# Altium PCB ActiTouch_PCB2.PcbDoc
Units mil, origin at the board's own origin, x right, y up, seen from the top; angles counter-clockwise.
Board outline 2415 x 1780 mil, 2 copper layers (Top Layer, Bottom Layer); 66 components, 55 nets, 195 pads, 13 vias.
Unrouted connection lines stored in the file: 17.
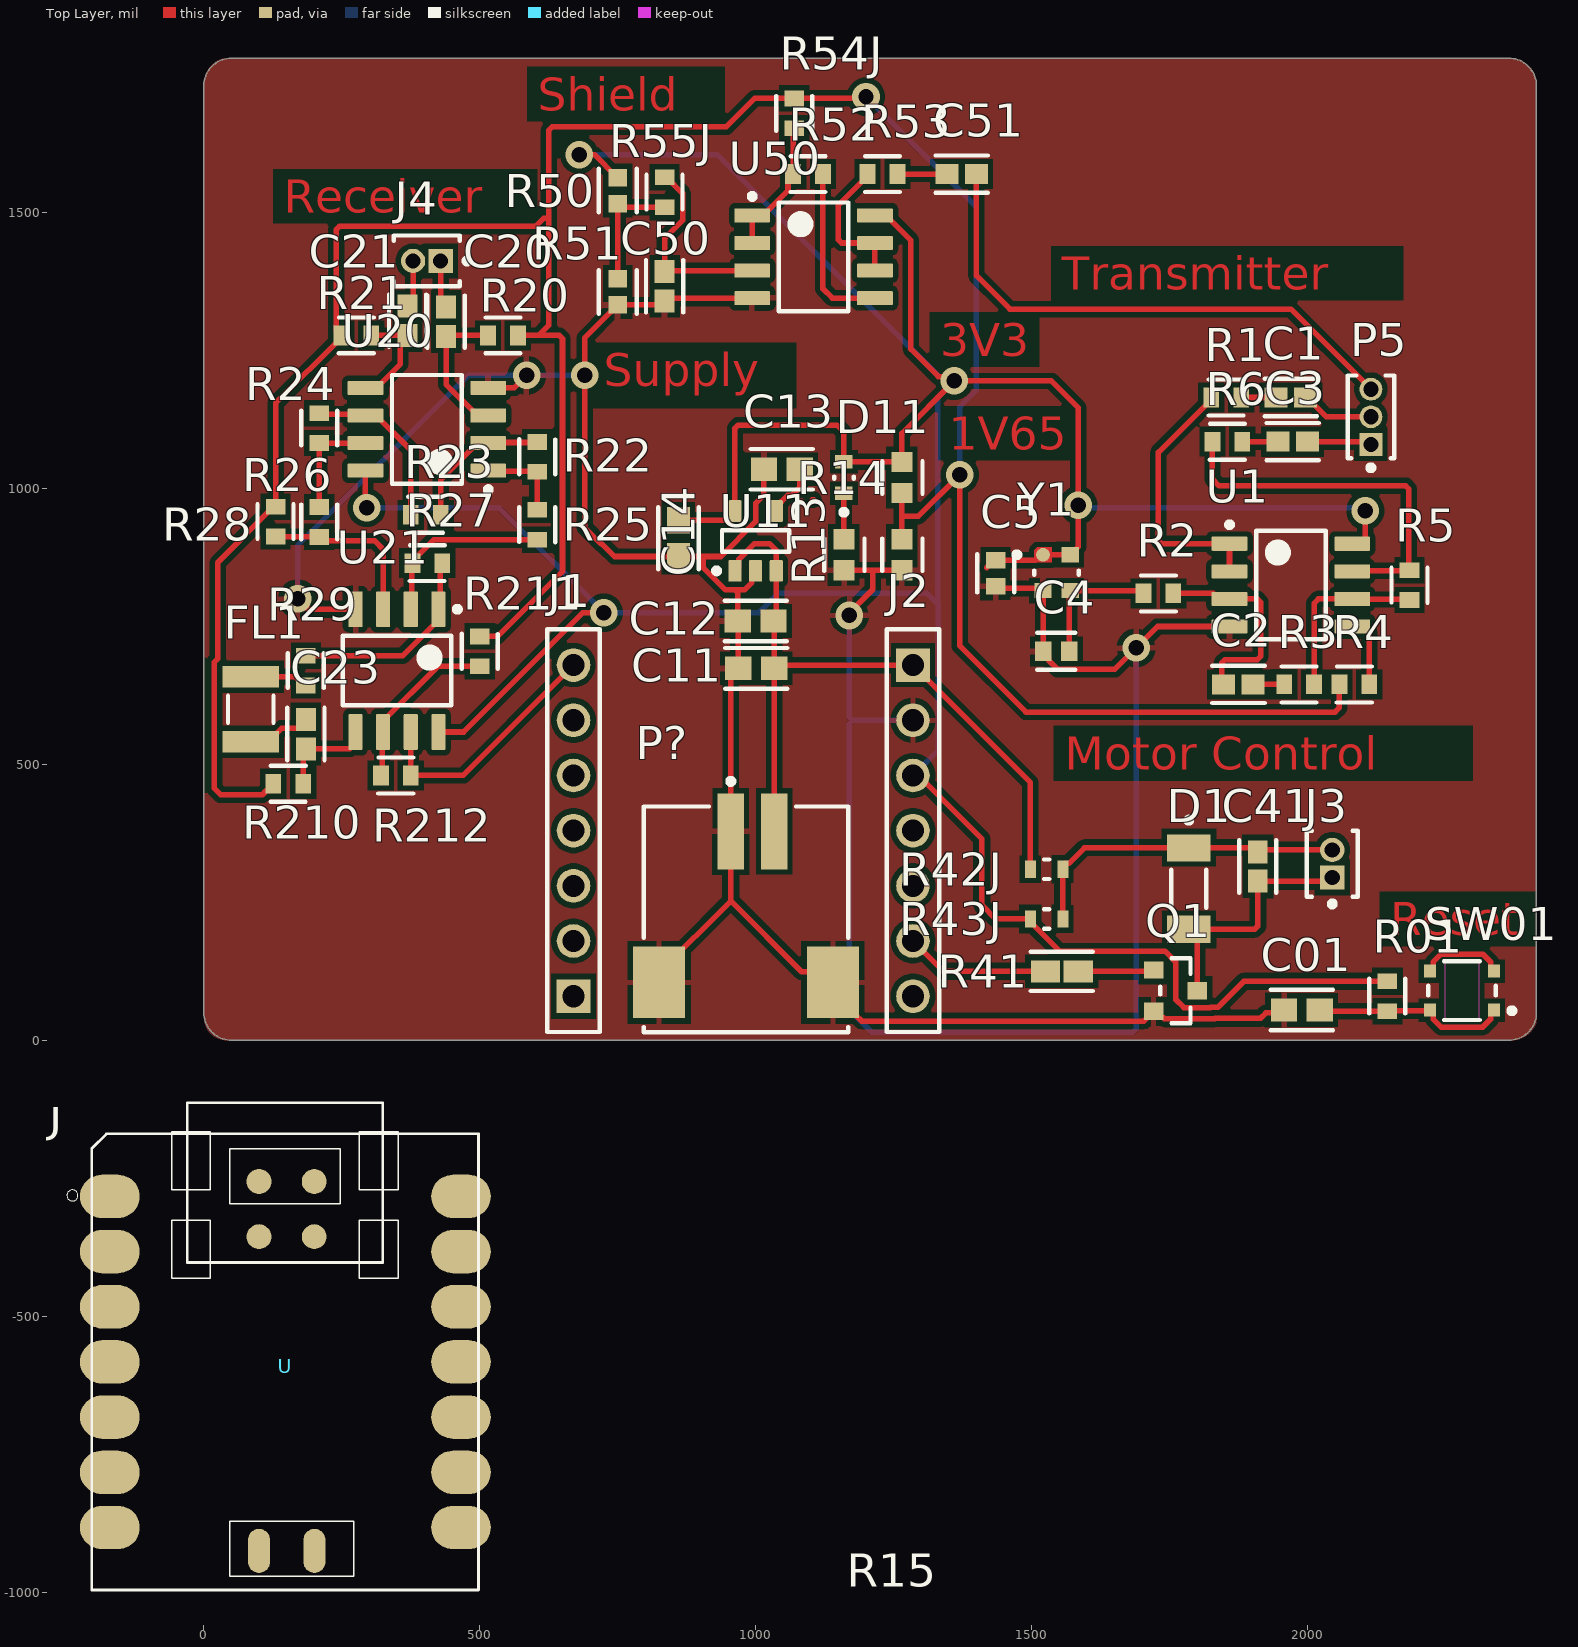
[diagram p0: Top Layer view]
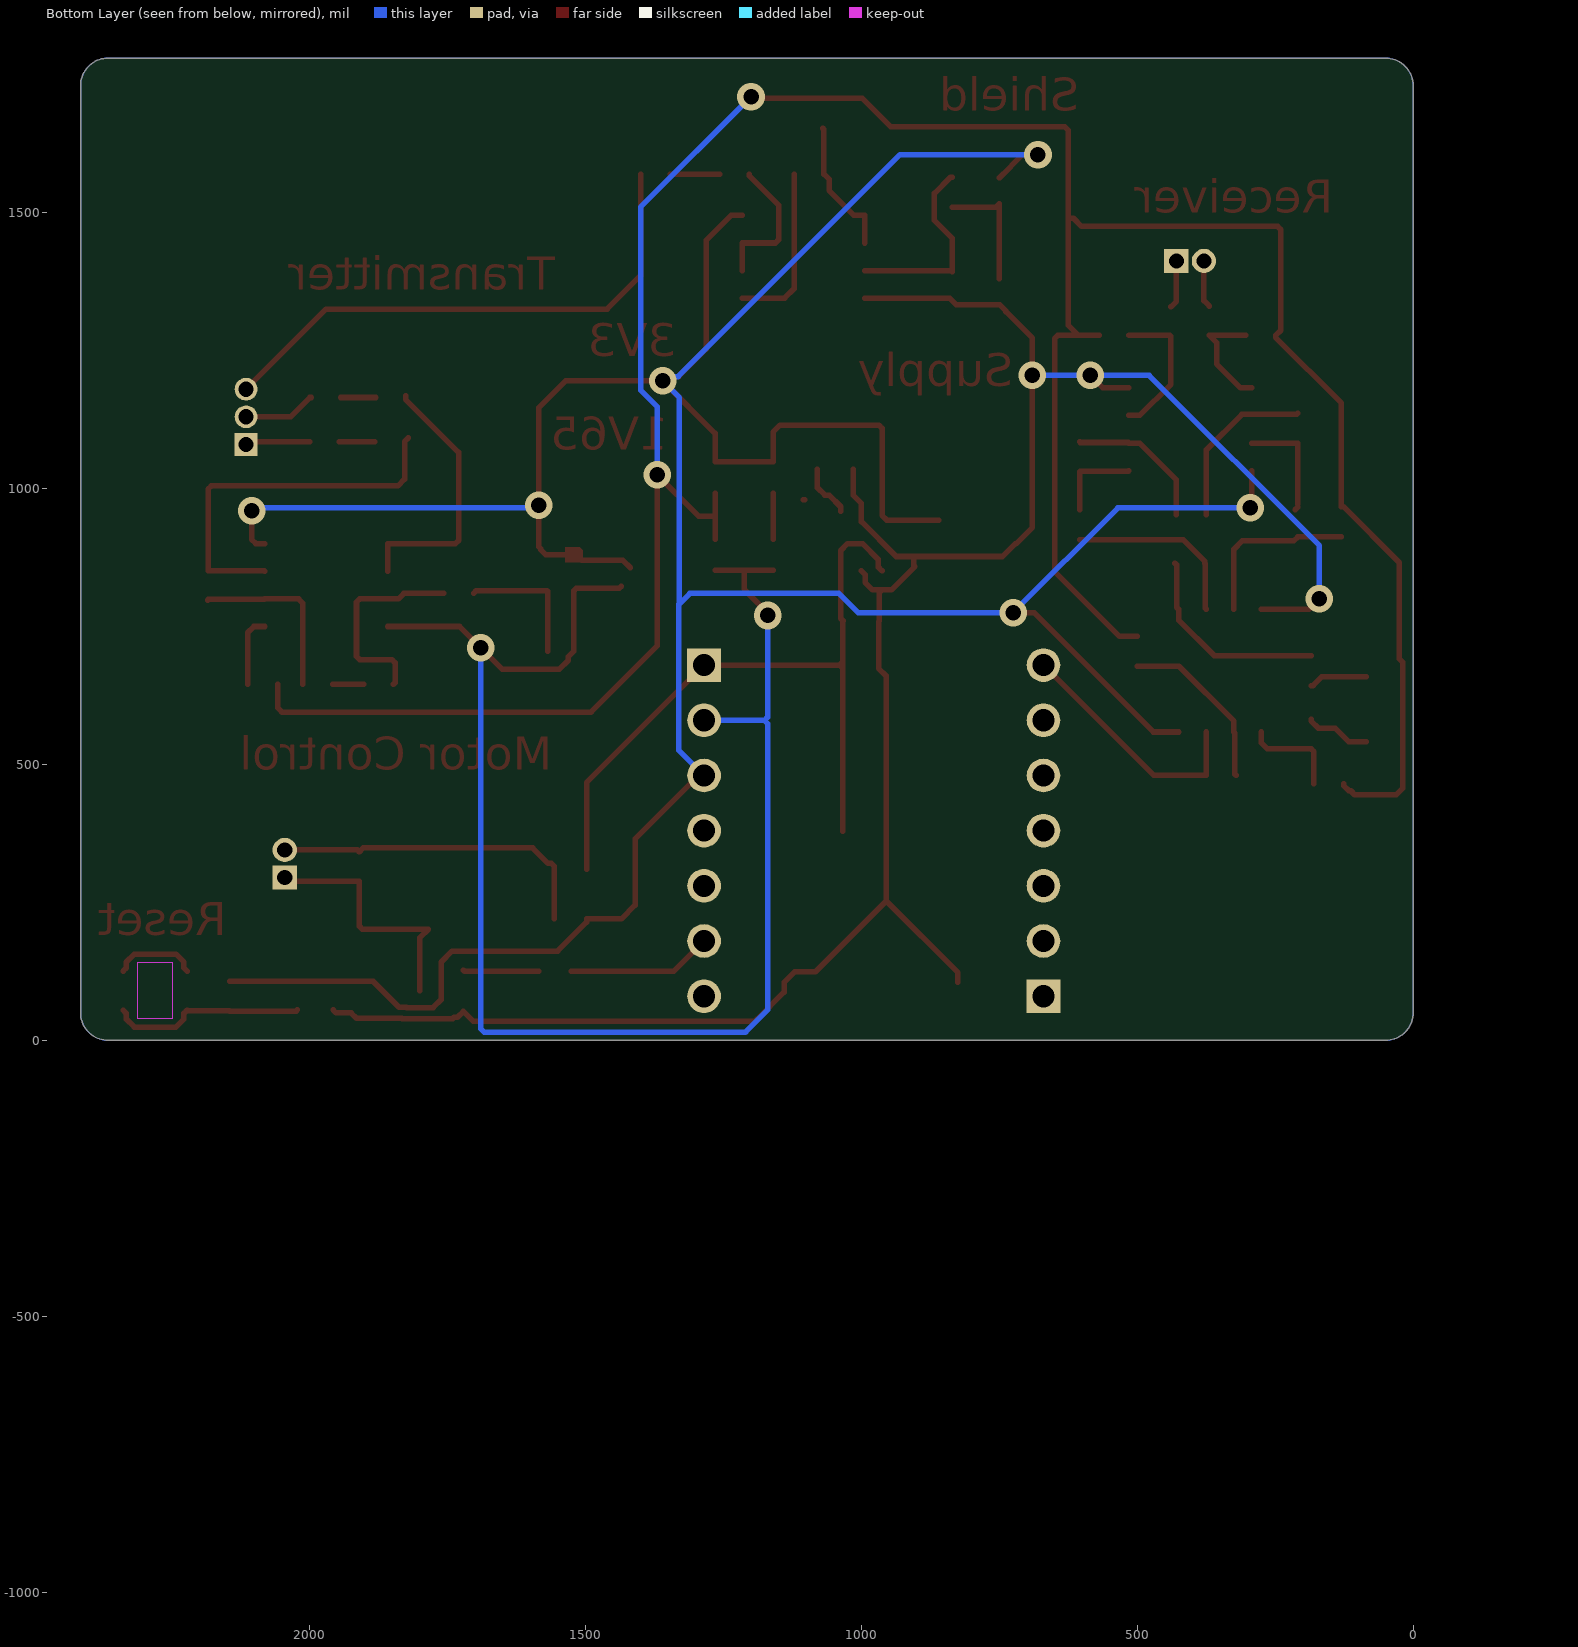
[diagram p1: Bottom Layer view, seen from below]
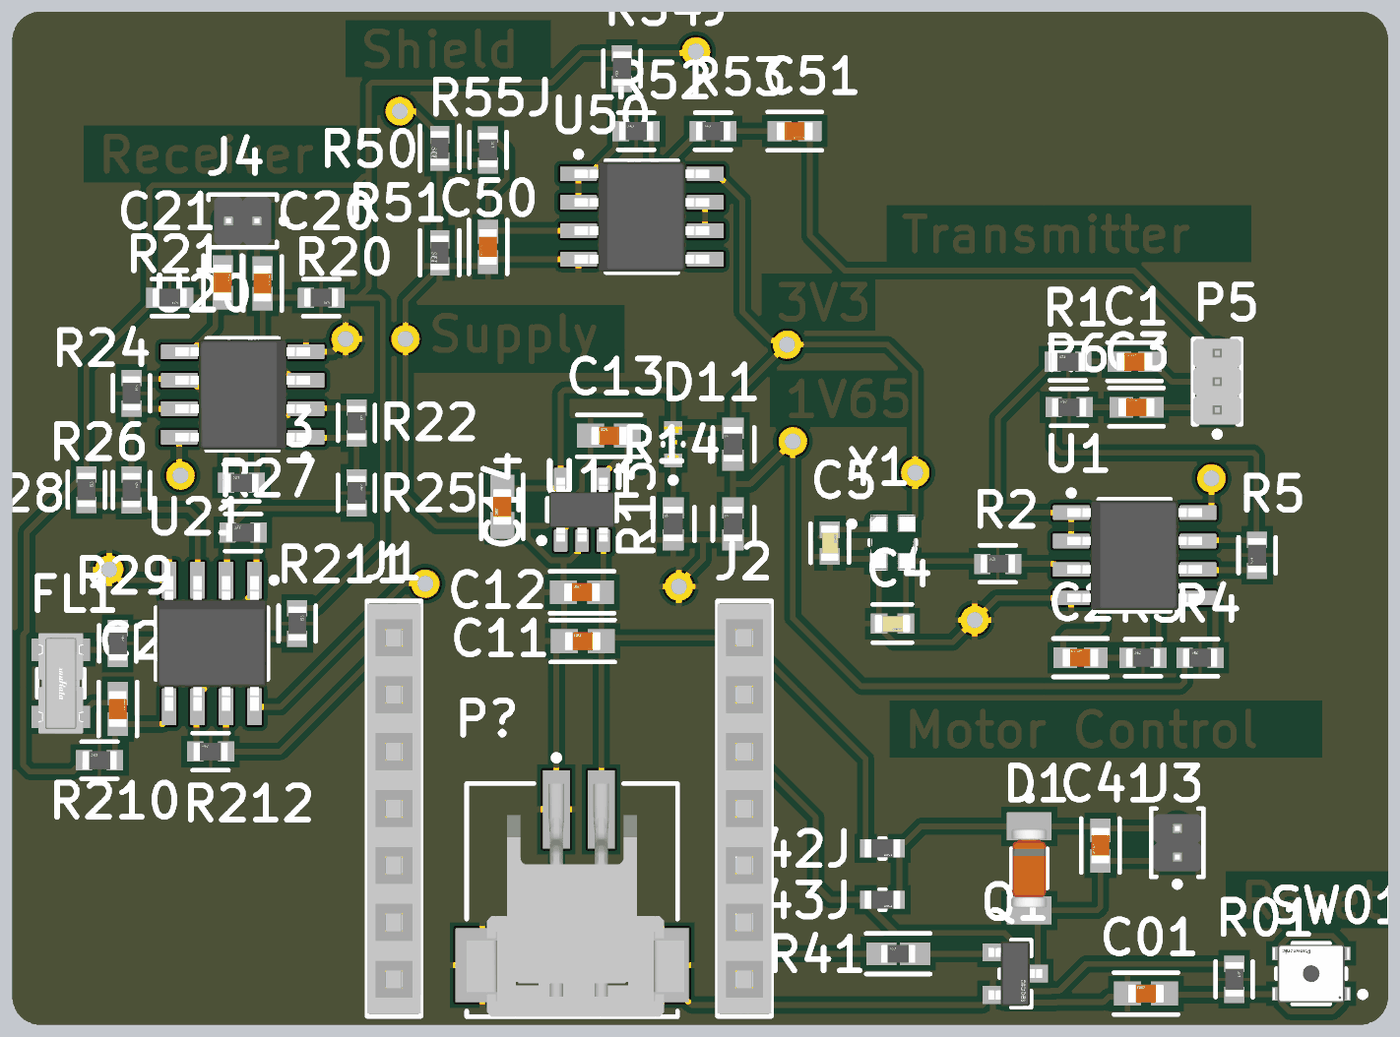
[diagram p2: 3D render of the assembled board from above, using the file's embedded part models]

## Layer stack, top to bottom
Top Solder: solder mask 0.4, Solder Resist, Dk 3.5
Top Layer: signal copper 1.4
Dielectric 1: dielectric 12.6, FR-4, Dk 4.8
Bottom Layer: signal copper 1.4
Bottom Solder: solder mask 0.4, Solder Resist, Dk 3.5

## Board outline
50,0 cw(c50,50) 0,50 0,1730 cw(c50,1730) 50,1780 2364.86,1780 cw(c2365,1730) 2415,1730 2415,50 cw(c2365,50) 2365,0

## Design rules (kind name [scope] priority, off if disabled: settings)
Clearance [All] p1: gap=10 ignorepadtopadclearanceinfootprint=FALSE except(0: Arc-Hole Track-Hole SMDPad-Hole THPad-Hole Via-Hole Fill-Hole Poly-Hole Region-Hole Text-Hole)
PolygonConnect [All] p1: connectstyle=Relief reliefconductorwidth=10 reliefentries=4 polygonreliefangle="90 Angle" airgapwidth=10
RoomDefinition U_VibrationMotor [InComponentClass('U_VibrationMotor')] p1: confinementstyle=ConfineIn formatcopy=TRUE lockcomponents=FALSE outline 6045,2605 7220,2605 7220,2960 6045,2960
RoomDefinition U_PowerSupply [InComponentClass('U_PowerSupply')] p2: confinementstyle=ConfineIn formatcopy=TRUE lockcomponents=FALSE outline 6045,2040 8885,2040 8885,2555 6045,2555
RoomDefinition U_ActiTouch_Transmitter_Sheet1 [InComponentClass('U_ActiTouch_Transmitter_Sheet1')] p3: confinementstyle=ConfineIn formatcopy=TRUE lockcomponents=FALSE outline 6130,1645 8645,1645 8645,1995 6130,1995
RoomDefinition U_ActiTouch_Shield_Sheet1 [InComponentClass('U_ActiTouch_Shield_Sheet1')] p4: confinementstyle=ConfineIn formatcopy=TRUE lockcomponents=FALSE outline 6045,1325 7580,1325 7580,1590 6045,1590
RoomDefinition U_ActiTouch_Receiver_Sheet1 [InComponentClass('U_ActiTouch_Receiver_Sheet1')] p5: confinementstyle=ConfineIn formatcopy=TRUE lockcomponents=FALSE outline 6045,1010 10480,1010 10480,1275 6045,1275
RoomDefinition ActiTouch [InComponentClass('ActiTouch')] p6: confinementstyle=ConfineIn formatcopy=TRUE lockcomponents=FALSE outline 6045,55 8570,55 8570,960 6045,960
RoutingVias [All] p1: holewidth=28 width=50 viastyle="Through Hole" minholewidth=28 minwidth=50 maxholewidth=28 maxwidth=50
SolderMaskExpansion [All] p1: expansion=4 istentingtop=FALSE
Width [All] p1: maxlimit=10 minlimit=10 preferedwidth=10
30 further rules are at their usual default settings.

## Classes and differential pairs
component class U_VibrationMotor: C41 D1 Q1 R41 R42J R43J
component class U_PowerSupply: C11 C12 C13 C14 D11 P? R13 R14 R15 U11
component class U_ActiTouch_Transmitter_Sheet1: C1 C2 C3 C4 C5 R1 R2 R3 R4 R5 R6 U1 Y1
component class U_ActiTouch_Shield_Sheet1: C50 C51 R50 R51 R52 R53 R54J R55J U50
component class U_ActiTouch_Receiver_Sheet1: C20 C21 C23 FL1 R20 R21 R22 R23 R24 R25 R26 R27 R28 R29 R210 R211 R212 U20 U21
component class ActiTouch: C01 J1 J2 J3 J4 P5 R01 SW01

## Components (designator, comment, footprint, x,y, rotation, side; value= is the part's Value field where it differs from the comment)
C1 "EMK107B7104KAHT" FP-0603-L_1_6_0_1-W_0_8_0-IPC_B 1970,1165 r0 top
C01 "1uF" FP-0603-L_1_6_0_15-W_0_81-IPC_A 1990,55 r180 top
C2 "EMK107B7104KAHT" FP-0603-L_1_6_0_1-W_0_8_0-IPC_B 1875,645 r0 top
C3 "EMK107B7104KAHT" FP-0603-L_1_6_0_1-W_0_8_0-IPC_B 1973.34,1085 r0 top
C4 "C0603C104K5RACTU" FP-C0603C-CF-MFG 1545,705 r180 top value="0.10 μF"
C5 "C0603C104K5RACTU" FP-C0603C-CF-MFG 1435,846.38 r270 top value="0.10 μF"
C11 "0603ZD105KAT2A" FP-0603-L_1_6_0_15-W_0_81-IPC_A 1001.19,674.14 r180 top
C12 "0603ZD105KAT2A" FP-0603-L_1_6_0_15-W_0_81-IPC_A 1000,760 r180 top
C13 "0603ZD105KAT2A" FP-0603-L_1_6_0_15-W_0_81-IPC_A 1047.49,1035 r180 top
C14 "0603ZD105KAT2A" FP-0603-L_1_6_0_15-W_0_81-IPC_A 860,910 r270 top
C20 "EMK107B7104KAHT" FP-0603-L_1_6_0_1-W_0_8_0-IPC_B 439.13,1302.4 r270 top
C21 "EMK107B7104KAHT" FP-0603-L_1_6_0_1-W_0_8_0-IPC_B 369.13,1304.06 r270 top
C23 "EMK107B7104KAHT" FP-0603-L_1_6_0_1-W_0_8_0-IPC_B 185,555 r270 top
C41 "EMK107B7104KAHT" FP-0603-L_1_6_0_1-W_0_8_0-IPC_B 1910,315 r90 top
C50 "EMK107B7104KAHT" FP-0603-L_1_6_0_1-W_0_8_0-IPC_B 835,1366.66 r90 top
C51 "EMK107B7104KAHT" FP-0603-L_1_6_0_1-W_0_8_0-IPC_B 1373.34,1570 r180 top
D1 "LS4448GS08" FP-6_560-5006_01-4-MFG 1785,275 r270 top value=4pF
D11 "TLMP1100-GS08" FP-6_541-5056_01-4-MFG 1160,1020 r90 top
FL1 "CDSCB10M7GA121-R0" FP-CDSCB10M7GA121-R0-MFG 85,600 r270 top
J1 "SSQ-107-01-G-S" SMTC-SSQ-107-01-X-S 670,80 r90 top
J2 "SSQ-107-01-G-S" SMTC-SSQ-107-01-X-S 1285.11,680 r270 top
J3 "GRPB021VWVN-RC" FP-GRPB021VWVN-RC-MFG 2045,320 r90 top
J4 "GRPB021VWVN-RC" FP-GRPB021VWVN-RC-MFG 404.13,1412.4 r180 top
P5 "GRPB031VWVN-RC" SLIN-GRPB031VWVN-RC_V 2115,1130 r90 top
P? "292173-2" TECO-292173-2_V 982.52,105 r180 top
Q1 "DMG2302UK-7" FP-SOT23-MFG 1760.63,90 r0 top
R1 "RNCP0603FTD10R0" FP-RNCP0603-MFG 1852.93,1165 r0 top
R01 "10K" FP-RNCP0603-MFG 2145,80 r270 top
R2 "RNCP0603FTD10R0" FP-RNCP0603-MFG 1730,810 r0 top
R3 "RNCP0603FTD10R0" FP-RNCP0603-MFG 1985,645 r0 top
R4 "RNCP0603FTD10R0" FP-RNCP0603-MFG 2085,645 r0 top
R5 "RNCP0603FTD10R0" FP-RNCP0603-MFG 2185,825 r90 top
R6 "RNCP0603FTD10R0" FP-RNCP0603-MFG 1855,1085 r0 top
R13 "CRCW060311K5FKEA" FP-CRCW0603-e3-IPC_B 1160,880 r90 top
R14 "CRCW060311K5FKEA" FP-CRCW0603-e3-IPC_B 1265,1020 r90 top
R15 "CRCW060311K5FKEA" FP-CRCW0603-e3-IPC_B 1265,880 r90 top
R20 "RNCP0603FTD10R0" FP-RNCP0603-MFG 542.07,1277.4 r180 top
R21 "RNCP0603FTD10R0" FP-RNCP0603-MFG 276.2,1277.4 r180 top
R22 "RNCP0603FTD10R0" FP-RNCP0603-MFG 604.13,1057.4 r270 top
R23 "RNCP0603FTD10R0" FP-RNCP0603-MFG 402.07,952.4 r0 top
R24 "RNCP0603FTD10R0" FP-RNCP0603-MFG 209.13,1109.47 r270 top
R25 "RNCP0603FTD10R0" FP-RNCP0603-MFG 604.13,934.47 r270 top
R26 "RNCP0603FTD10R0" FP-RNCP0603-MFG 209.13,939.47 r270 top
R27 "RNCP0603FTD10R0" FP-RNCP0603-MFG 405,865 r0 top
R28 "RNCP0603FTD10R0" FP-RNCP0603-MFG 130,940 r270 top
R29 "RNCP0603FTD10R0" FP-RNCP0603-MFG 185,670 r270 top
R41 "RNCP0603FTD10K0" FP-RNCP0603-IPC_A 1555,125 r0 top
R42J "ESR03EZPJ101" FP-ESR03-MFG 1527.4,310 r180 top
R43J "ESR03EZPJ101" FP-ESR03-MFG 1527.4,220 r180 top
R50 "RMCF0603FT100K" FP-RMCF0603-IPC_C 750,1540 r270 top
R51 "RMCF0603FT100K" FP-RMCF0603-IPC_C 750,1356.34 r270 top
R52 "RNCP0603FTD10R0" FP-RNCP0603-MFG 1095,1570 r0 top
R53 "RNCP0603FTD10R0" FP-RNCP0603-MFG 1230,1570 r0 top
R54J "RNCP0603FTD10R0" FP-RNCP0603-MFG 1070,1680 r90 top
R55J "RNCP0603FTD10R0" FP-RNCP0603-MFG 835,1537.07 r270 top
R210 "RNCP0603FTD10R0" FP-RNCP0603-MFG 152.93,465 r0 top
R211 "RNCP0603FTD10R0" FP-RNCP0603-MFG 500,705 r270 top
R212 "RNCP0603FTD10R0" FP-RNCP0603-MFG 347.93,480 r0 top
SW01 "EVPAF7B70" FP-EVPAF7B70-MFG 2280,90 r180 top
U "SeeeduinoXIAO" "Seeeduino XIAO-MOUDLE14P-2.54-21X17.8MM" -203.1,-996.12 r0 top
U1 "OPA2836IDR" D0008A_M 1970,825 r0 top
U11 "REG102NA-3.3/3K" DBV0005A_N 1000,905 r90 top
U20 "OPA2836IDR" D0008A_M 404.13,1107.4 r180 top
U21 "OPA2836IDR" D0008A_M 350,670 r270 top
U50 "OPA2836IDR" D0008A_M 1105,1420 r0 top
Y1 "DSC6003MI2A-010.7000T" FP-C04-1202-MFG 1545.39,847.48 r270 top

## Footprints (in the part's own frame and the unit in brackets; to place one, negate y for a bottom-side part, rotate by r counter-clockwise, add the part's x,y. Pads: shape width x height; smd on the part's side, far side on the other; paste and mask are expansions set on the pad)
D0008A_M [mm] "SOIC, 8-Leads, Body 5x4mm, Pitch 1.27mm, IPC Low Density"
  rrect15% 1.65x0.65 smd: 1(-2.825,1.905) 2(-2.825,0.635) 3(-2.825,-0.635) 4(-2.825,-1.905) 5(2.825,-1.905) 6(2.825,-0.635) 7(2.825,0.635) 8(2.825,1.905)
  silkscreen extent -2.95,-2.5 1.6,2.9, body extent -3,-2.45 3,2.45, height 1.63
DBV0005A_N [mm] "SOT23, 5-Leads, Body 3.05x1.75mm, Pitch 0.95mm, IPC Medium Density"
  rrect17% 1x0.6 smd: 1(-1.375,0.95) 2(-1.375,0) 3(-1.375,-0.95) 4(1.375,-0.95) 5(1.375,0.95)
  silkscreen extent -1.5,-1.55 0.5,1.92, body extent -1.42,-1.46 1.42,1.46, height 1.08
FP-6_541-5056_01-4-MFG [mm]
  rect 0.6x0.8 smd paste+0 mask+0: 1(-0.725,0) 2(0.725,0)
  silkscreen extent -1.72,-0.45 0.05,0.45, body extent -1.12,-0.55 1.12,0.55, height 0.25
FP-6_560-5006_01-4-MFG [mm]
  rect 1.25x2 smd paste+0 mask+0: 1(-1.875,0) 2(1.875,0)
  silkscreen extent -3.27,-0.8 0.87,0.8, body extent -2.6,-1.1 2.6,1.1, height 0.25
FP-0603-L_1_6_0_1-W_0_8_0-IPC_B [mil]
  rect 41.64x35.91 smd paste+0 mask+0: 1(-26.66,0) 2(26.66,0)
  silkscreen extent -47,-34 47,34, body extent -57,-28 57,28, height 10
FP-0603-L_1_6_0_15-W_0_81-IPC_A [mil]
  rect 47.5x42.06 smd paste+0 mask+0: 1(-32.51,0) 2(32.51,0)
  silkscreen extent -56,-37 56,37, body extent -76,-41 76,41, height 10
FP-C04-1202-MFG [mm]
  round 0.63 smd paste+0 mask+0: 1(-0.825,-0.625)
  rect 0.7x0.8 smd paste+0 mask+0: 2(0.825,-0.625) 3(0.825,0.625) 4(-0.825,0.625)
  Top Layer region: -1.175,-0.225 -0.475,-0.225 -0.475,-1.025 -1.045,-1.025 -1.175,-0.895
  silkscreen extent -0.95,-1.95 0.1,1.02, body extent -1.78,-1.53 1.78,1.53, height 0.25
FP-C0603C-CF-MFG [mm]
  rect 0.75x0.9 smd paste+0 mask+0: 1(-0.6,0) 2(0.6,0)
  silkscreen extent -0.87,-0.85 0.88,0.85, body extent -1.2,-0.6 1.2,0.6, height 0.25
FP-CDSCB10M7GA121-R0-MFG [mm]
  rect 1x2.6 smd paste+0 mask+0: 1(-1.5,0) 2(1.5,0)
  silkscreen extent -0.63,-1.05 0.63,1.05, body extent -2.4,-1.4 2.4,1.4, height 0.25
FP-CRCW0603-e3-IPC_B [mil]
  rect 36.81x37.88 smd paste+0 mask+0: 1(-28.17,0) 2(28.17,0)
  silkscreen extent -30,-37 30,35, body extent -56,-29 56,29, height 10
FP-ESR03-MFG [mm]
  rect 0.5x0.8 smd paste+0 mask+0: 1(-0.75,0) 2(0.75,0)
  silkscreen extent -0.13,-0.45 0.13,0.45, body extent -1.1,-0.55 1.1,0.55, height 0.25
FP-EVPAF7B70-MFG [mm]
  rect 0.55x0.6 smd paste+0 mask+0: A(-1.475,0.9) A'(1.475,0.9) B(-1.475,-0.9) B'(1.475,-0.9)
  Keep-Out Layer region: -0.8,-1.3 0.8,-1.3 0.8,1.3 -0.8,1.3
  silkscreen extent -2.43,-1.35 1.55,1.35, body extent -1.85,-1.45 1.85,1.45, height 0.25
FP-GRPB021VWVN-RC-MFG [mm]
  rect 1.12x1.12 hole 0.7 paste-1000 mask+0: 1(-0.635,0)
  round 1.12 hole 0.7 paste-1000 mask+0: 2(0.635,0)
  silkscreen extent -1.97,-1.17 1.52,1.17, body extent -1.62,-1.27 1.62,1.27, height 0.25
FP-RMCF0603-IPC_C [mil]
  rect 31.73x33.79 smd paste+0 mask+0: 1(-23.66,0) 2(23.66,0)
  silkscreen extent -40,-34 40,34, body extent -43,-23 43,23, height 10
FP-RNCP0603-IPC_A [mil]
  rect 53.27x39.85 smd paste+0 mask+0: 1(-29.59,0) 2(29.59,0)
  silkscreen extent -56,-36 56,36, body extent -76,-40 76,40, height 10
FP-RNCP0603-MFG [mm]
  rect 0.725x0.9 smd paste+0 mask+0: 1(-0.687,0) 2(0.687,0)
  silkscreen extent -0.81,-0.83 0.8,0.82, body extent -1.15,-0.55 1.15,0.55, height 0.25
FP-SOT23-MFG [mm]
  rect 0.9x0.8 smd paste+0 mask+0: 1(-1,0.95) 2(-1,-0.95) 3(1,0)
  silkscreen extent -0.7,-1.5 0.7,1.5, body extent -1.55,-1.6 1.55,1.6, height 0.25
"Seeeduino XIAO-MOUDLE14P-2.54-21X17.8MM" [mil]
  rrect100% 108.2x78.7 smd: 1(32.8,713.3) 2(32.8,613.3) 3(32.8,513.3) 4(32.8,413.3) 5(32.8,313.3) 6(32.8,213.3) 7(32.8,113.3) 8(669.2,113.3) 9(669.2,213.3) 10(669.2,313.3) 11(669.2,413.3) 12(669.2,513.3) 13(669.2,613.3) 14(669.2,713.3)
  rrect100% 40x80 smd: 15(303.15,70.87) 16(403.54,70.87)
  round 45 smd: 17(303.1,740.32) 18(403.1,740.32) 19(303.1,640.32) 20(403.1,640.32)
  silkscreen extent -45,0 701,883
SLIN-GRPB031VWVN-RC_V [mm] "Header, 3-Leads, Body 3.81x2.14mm, Pitch 1.27mm"
  rect 1.05x1.05 hole 0.7: 1(-1.27,0)
  round 1.05 hole 0.7: 2(0,0) 3(1.27,0)
  silkscreen extent -2.47,-1.07 1.91,1.07, body extent -1.9,-1.07 1.91,1.07, height 4
SMTC-SSQ-107-01-X-S [mm] "SQ Post Socket, 1x7 Pins, Vertical, 2.54mm Pitch, Female"
  rect 1.55x1.55 hole 1.02: 1(0,0)
  round 1.55 hole 1.02: 2(2.54,0) 3(5.08,0) 4(7.62,0) 5(10.16,0) 6(12.7,0) 7(15.24,0)
  silkscreen extent -1.65,-1.2 16.89,1.2, body extent -1.52,-1.21 16.76,1.21, height 8.51
TECO-292173-2_V [mm] "CONN, 2-Leads, Body 10.4x9.4mm, Pitch 2mm"
  rect 1.2x3.5 smd: 1(0.7,-6.95) 2(-1.3,-6.95)
  rect 2.4x3.3 smd: MP1(4,0) MP2(-4,0)
  silkscreen extent -4.7,-9.38 4.7,2.3, body extent -5,-8.09 4.7,2.31, height 5.79

## Part data
C1 C2 C3 C20 C21 C23 C41 C50 C51: library part CMP-14477-003798-2, "None", Capacitance=100nF, Case/Package=0603, Package Quantity=4000, Tolerance=10%, Voltage Rating=16V, Halogen Free="Halogen Free", Lead Free="Lead Free", Packaging="Tape and Reel", Voltage Rating (DC)=16V
C01: library part CMP-2006-04559-3, "General Purpose Ceramic Capacitor, 0603, 1uF, 10%, X5R, 15%, 10V", Case Code (Imperial)=0603, Case Code (Metric)=1608, Dielectric=X5R, Insulation Resistance=100GR, Max Operating Temperature=85°C, Min Operating Temperature=-55°C, Package Quantity=4000, Tolerance=10%, Voltage=10V, Capacitance=1uF, Case/Package=0603, Construction=Flat, Contact Plating=Tin, Depth=0.81mm, Dissipation Factor=5%, Height=0.9mm, Lead Free="Lead Free", Length=1.6mm, Mount="Surface Mount", Number of Pins=2, Packaging="Tape and Reel", Radiation Hardening=No, REACH SVHC="No SVHC", RoHS Compliant=Yes, Series=-, Termination=SMD/SMT, Thickness=0.035inch, Voltage Rating=10V, Voltage Rating (DC)=10V, Width=0.81mm
C4 C5: library part CMP-2006-03061-2, "CAP CER 0.1UF 50V X7R 0603", Capacitance="0.10 μF", Manufacturer=KEMET, Package=C0603C-CF, Temperature="-55°C to +125°C", Temperature Characteristic=X7R, Temperature Coefficient=30ppm/°C, Temperature Range High=+125°C, Temperature Range Low=-55°C, Tolerance=0.1, Voltage Rating="50 V", Automotive=Yes, Automotive Grade="Grade 1", Category=Cap, ComponentLink2Description=Datasheet, ComponentLink2URL=https://api.kemet.com/component-edge/download/datasheet/C0603C100J5GACAUTO.pdf, Device Class L1="Passive Components", Device Class L2=Capacitors, Device Class L3="Ceramic Capacitors", Digikey Description="CAP CER 0.1UF 50V X7R 0603", Height=0.87mm, Lead Free=Yes, Manufacturer Part Number=C0603C104K5RACTU, Material=Ceramic, Octopart=https://octopart.com/c0603c104k5ractu-kemet-139244, RoHS=TRUE
C11: library part CMP-2006-04559-3, "General Purpose Ceramic Capacitor, 0603, 1uF, 10%, X5R, 15%, 10V", Capacitance=1uF, Case Code (Imperial)=0603, Case Code (Metric)=1608, Dielectric=X5R, Insulation Resistance=100GR, Max Operating Temperature=85°C, Min Operating Temperature=-55°C, Package Quantity=4000, Tolerance=10%, Voltage=10V, Case/Package=0603, Construction=Flat, Contact Plating=Tin, Depth=0.81mm, Dissipation Factor=5%, Height=0.9mm, Lead Free="Lead Free", Length=1.6mm, Mount="Surface Mount", Number of Pins=2, Packaging="Tape and Reel", Radiation Hardening=No, REACH SVHC="No SVHC", RoHS Compliant=Yes, Series=-, Termination=SMD/SMT, Thickness=0.035inch, Voltage Rating=10V, Voltage Rating (DC)=10V, Width=0.81mm
C12 C14: library part CMP-2006-04559-3, "General Purpose Ceramic Capacitor, 0603, 1uF, 10%, X5R, 15%, 10V", Capacitance=0.1uF, Case Code (Imperial)=0603, Case Code (Metric)=1608, Dielectric=X5R, Insulation Resistance=100GR, Max Operating Temperature=85°C, Min Operating Temperature=-55°C, Package Quantity=4000, Tolerance=10%, Voltage=10V, Case/Package=0603, Construction=Flat, Contact Plating=Tin, Depth=0.81mm, Dissipation Factor=5%, Height=0.9mm, Lead Free="Lead Free", Length=1.6mm, Mount="Surface Mount", Number of Pins=2, Packaging="Tape and Reel", Radiation Hardening=No, REACH SVHC="No SVHC", RoHS Compliant=Yes, Series=-, Termination=SMD/SMT, Thickness=0.035inch, Voltage Rating=10V, Voltage Rating (DC)=10V, Width=0.81mm